# KiCad board PCA20073_Tiny_Board_Panel.kicad_pcb (continued)
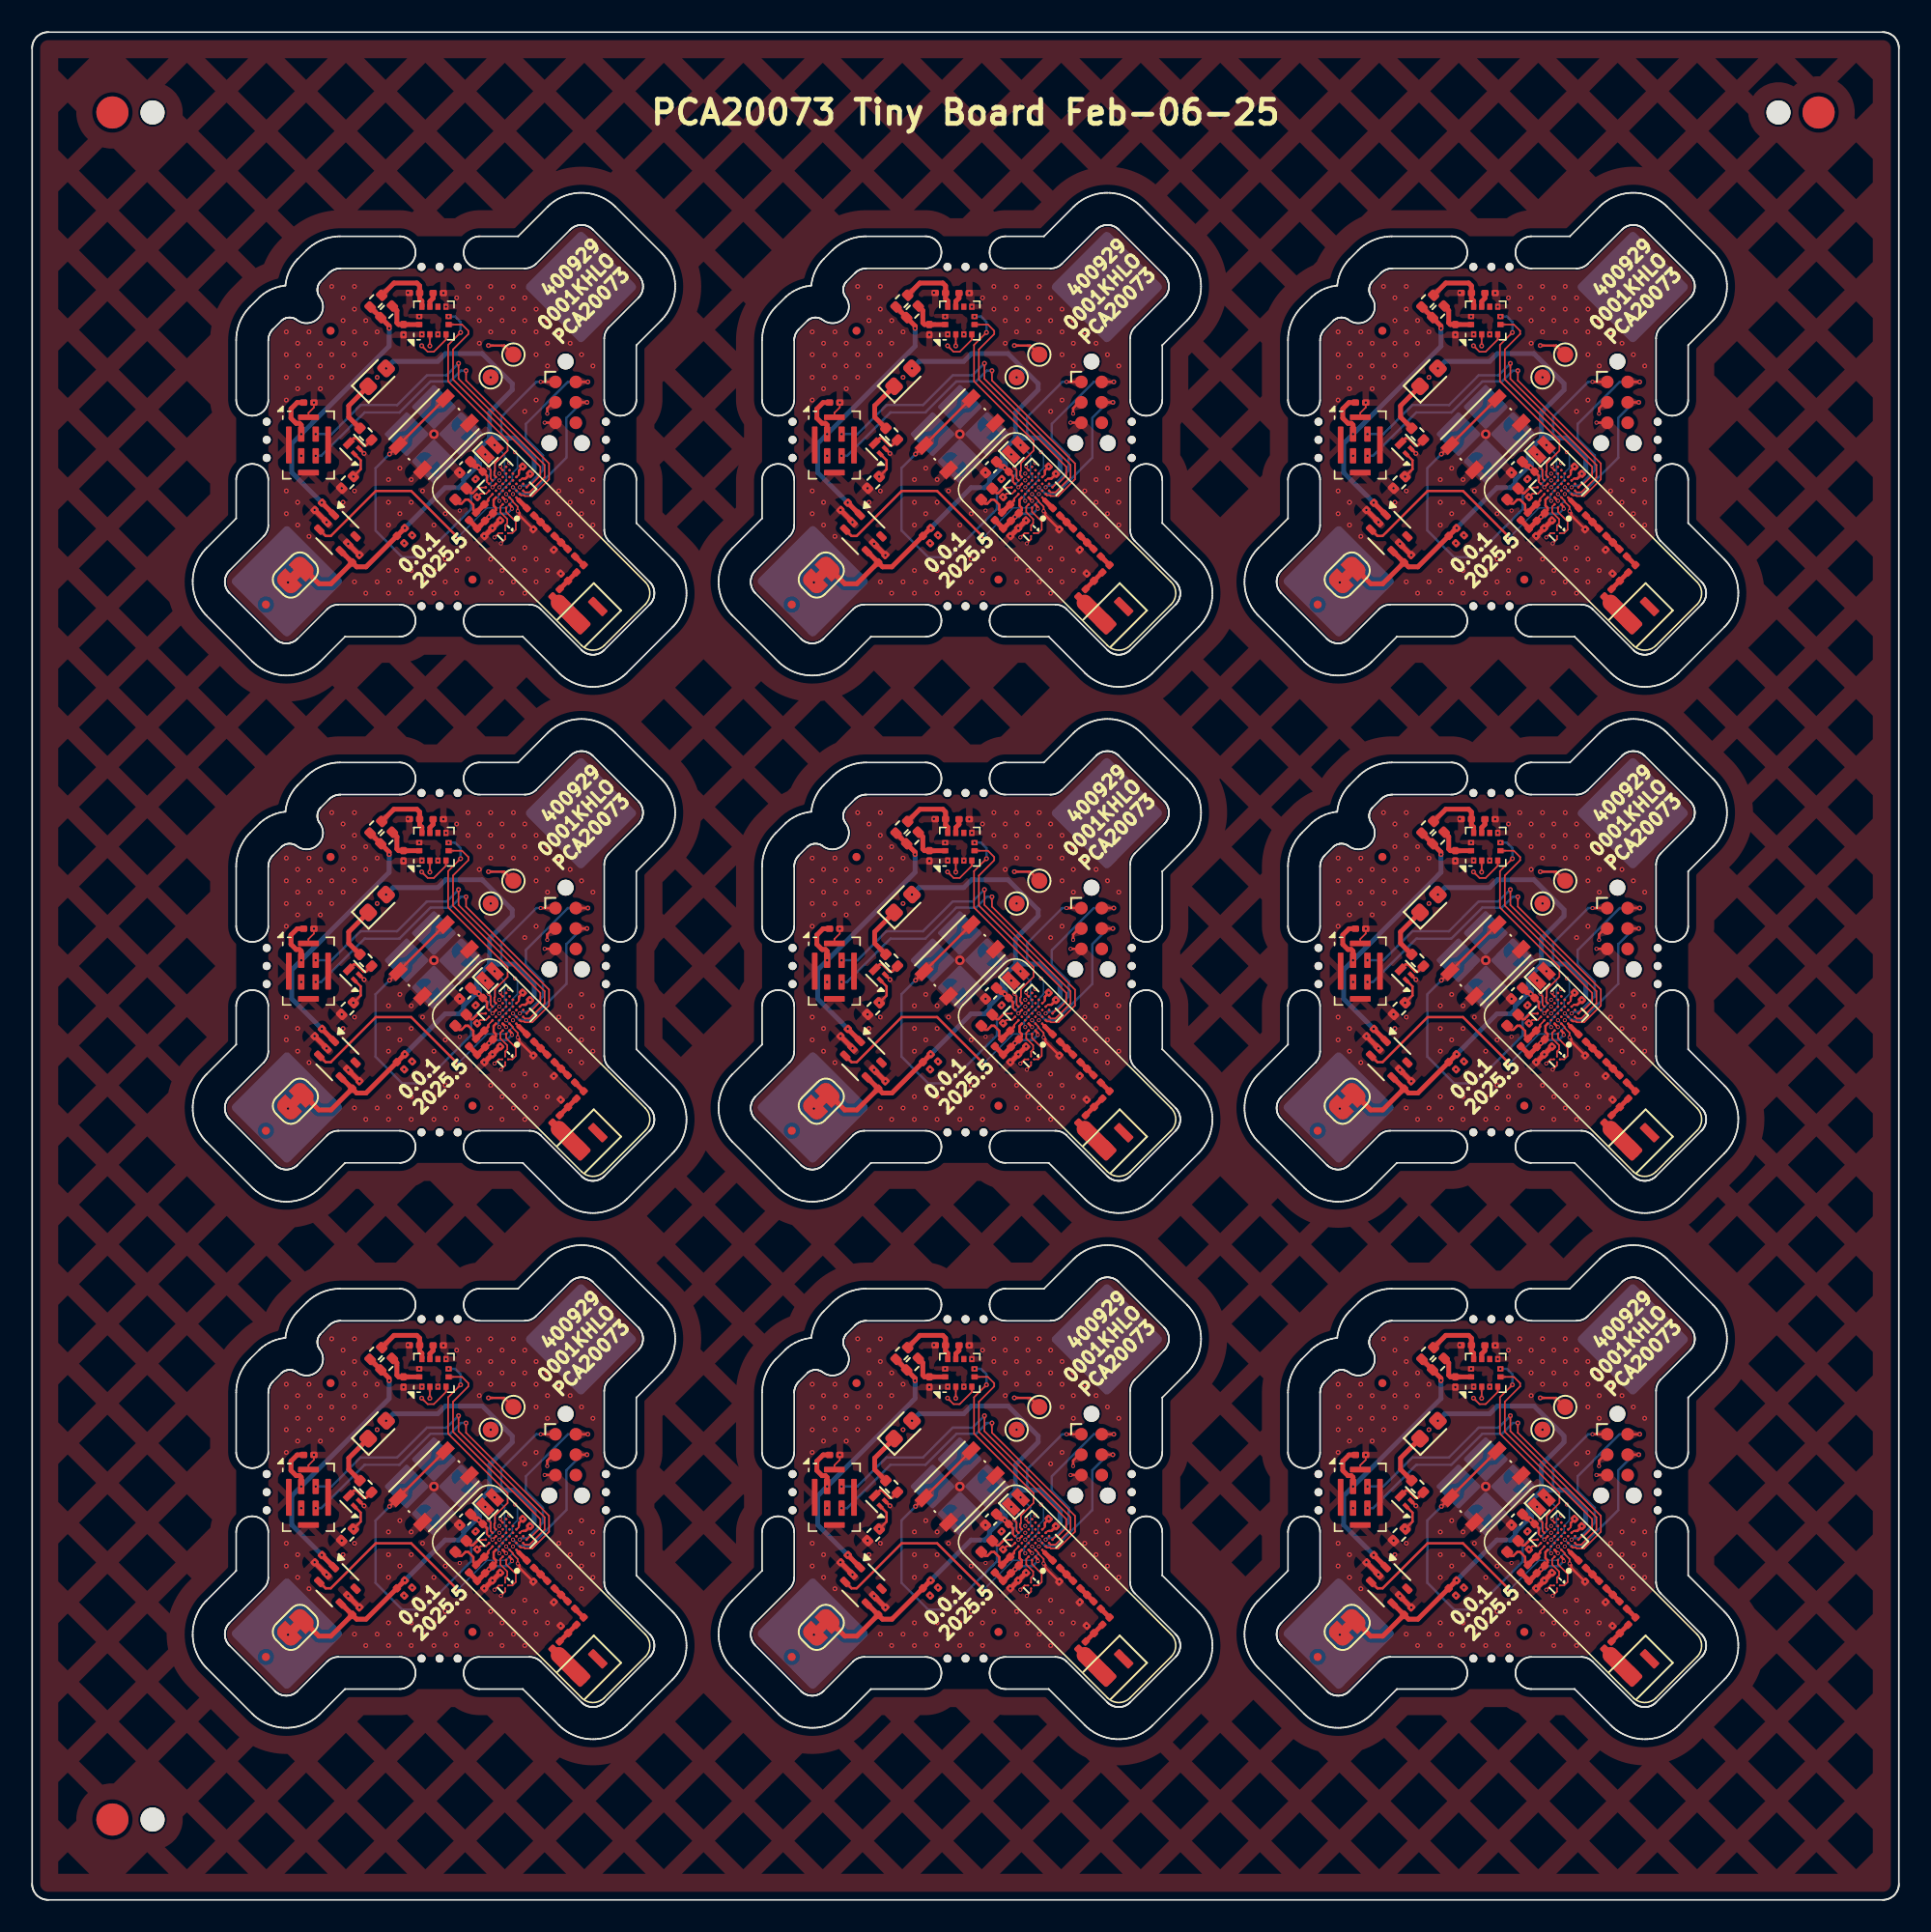
[diagram p0: board, top side]
## Routing (per net, layer and track width the routed paths; a pad name or vN(x,y) marks a point on that pad's centre or on a via; arc(x,y) is an arc through that point) (continued)
  Bottom w0.15: v2(59.43,97.55) 59.43,98.2 59.09,98.55 v2(58.68,98.55)
Board_1-/LED: length 17.8
  Top w0.15: v2(52.75,88.58) 53.21,89.04 53.21,89.6 1Q1.1 ; 1U1.B3 v1(62.27,87.07)
  In2.Cu w0.15: v1(62.27,87.07) 61.87,86.67 61.26,86.67 60.52,85.93 60.52,85.21 59.56,84.25 58.96,84.25 58.48,84.73 57.52,84.73 56.11,83.31 55.27,83.31 53.43,85.15 53.43,87.89 v2(52.75,88.58)
Board_1-/LFCLK1: length 2.8
  Top w0.075: 61.42,87.92 61.42,87.9
  Top w0.1: 1U1.C6 v1(61.42,87.92)
  Bottom w0.1: v1(60.97,89.96) 61.57,89.36 61.57,88.45 61.29,88.17 61.29,88.05 v1(61.42,87.92)
Board_1-/LSW: length 16.3
  Top w0.075: v1(62.27,87.5) 62.27,87.48 62.27,87.48
  Top w0.15: 1U2.3 51.02,84.89 51.35,84.89 54.15,87.69 56.36,87.69 59.13,84.91 v2(59.13,84.68)
  Bottom w0.1: v2(59.13,84.68) 61.09,86.64 62.25,86.64 62.62,87.01 62.62,87.14 v1(62.27,87.5)
Board_1-/PDM_CLK: length 22.8
  Top w0.1: 1U1.E1 63.19,87.42 63.38,87.42 63.43,87.37 63.9,87.37 64.94,88.41 64.94,89.4 59.77,94.57 v2(59.77,95.18)
  Bottom w0.15: v1(50.41,89.88) 50.75,89.88 53.45,92.58 55.63,92.58 57.56,94.51 58.78,94.51 59.45,95.18 v2(59.77,95.18)
Board_1-/PDM_DATA: length 21.8
  Top w0.1: v2(59.3,95.63) 59.3,94.67 64.66,89.31 64.66,88.55 63.72,87.61 63.43,87.61 1U1.F1
  Bottom w0.15: v1(50.41,91.23) 51.39,91.23 53.2,93.04 55.48,93.04 57.33,94.89 58.56,94.89 v2(59.3,95.63)
Board_1-/SCL: length 28.8
  Top w0.075: 62.05,88.96 62.06,88.96 1U1.F7
  Top w0.1: v1(61.9,89.23) 61.9,89.14 1U1.F7 ; v2(57.01,96.73) 57.38,96.35 57.76,96.35 58.52,97.11 1U3.4
  In2.Cu w0.1: 56.28,84.8 56.54,84.8 56.55,84.8 56.93,84.8 57.2,85.07 59.16,85.07 61.54,87.46 61.81,87.46 62.17,87.82 62.17,88.69 62.11,88.75 62.11,89.02 v1(61.9,89.23) ; 56.28,84.8 56.22,84.74 56.22,84.6 56.43,84.39 56.43,84.07 55.97,83.62 55.41,83.62 53.8,85.22 53.8,93.27 57.01,96.47 v2(57.01,96.73) ; 56.28,84.8 v2(56.41,84.93)
  In2.Cu w0.15: v2(56.41,84.93) 56.55,84.8
Board_1-/SDA: length 24.8
  Top w0.1: 1U3.2 57.52,96.72 v2(57.51,96.71) ; 61.84,88.34 61.84,88.33
  In2.Cu w0.1: v2(57.51,96.71) 57.51,96.57 54.1,93.16 54.1,85.26 55.42,83.94 55.95,83.94 56.12,84.12 56.12,84.23 v2(55.92,84.44)
  In2.Cu w0.15: v2(55.92,84.44) 55.78,84.58 55.78,84.75 56.38,85.36 56.38,85.67 58.68,87.97 60.32,87.97 60.7,88.34 61.84,88.34 v1(61.84,88.34)
Board_1-/UART_RX: length 13.6
  Top w0.15: v2(61.16,96.74) 62.15,96.74 1TP2.1
  In2.Cu w0.15: v1(62.83,90.1) 62.98,90.26 62.98,95.91 62.15,96.74 v2(61.16,96.74)
  Bottom w0.1: v1(61.84,87.07) 61.78,87.14 61.78,87.39 61.78,87.33 61.78,87.43 61.95,87.6 61.95,87.67 62.65,88.37 62.65,88.79 62.97,89.12 62.97,89.95 v1(62.83,90.1)
Board_1-/UART_TX: length 7.1
  In2.Cu w0.15: v2(61.31,94.76) 62.65,93.42 62.65,90.39 61.59,89.34 61.59,89 61.83,88.77 v1(61.84,88.77)
Board_1-GND: length 11.3
  Top w0.1: 63.07,88.79 63.07,88.7 62.9,88.54 ; 1Y2.2 62.21,84.69 v1(61.94,84.42) ; 1U1.C2 62.68,87.08 62.68,87.02 62.99,86.71 v1(62.99,86.43) ; 1Y2.3 61.8,85.06 v1(61.54,84.8) ; v1(50.3,93.19) 50.3,92.89 49.96,92.55 1MK1.5 ; v1(60.46,87.31) 60.67,87.51 61.01,87.51 1U1.A6
  Top w0.15: 52.04,87.83 52.03,87.85 v2(52.03,87.86) ; v2(53.42,90.02) 1Q1.2 ; 1J1.5 65.33,91.94 v1(64.66,91.94) ; v2(63.96,85.3) 63.09,86.17 63.09,86.33 v1(62.99,86.43) ; 63.34,89.25 63.34,89.23 63.07,88.96 63.07,88.79
  Top w0.3: v1(60.9,84.88) 60.92,84.88 v1(61.41,85.37) ; 1C12.2 v1(61.41,85.37) ; v1(61.41,85.37) v1(61.9,85.86) ; v2(51.09,85.75) 51.09,85.76 v2(50.34,86.51) ; v2(52.43,84.4) v2(53.14,83.69)
  vias: v1(49.51,89.88) v1(59.37,86.47) v1(60.37,88.43) v1(62.46,89.43) v1(63.3,89.21) v2(48.58,97.59) v2(48.58,96.18) v2(48.58,94.76) v2(48.58,93.35) v2(48.58,87.69) v2(48.58,86.28) v2(49.28,96.88) v2(49.28,95.47) v2(49.28,94.05) v2(49.28,86.98) v2(49.28,85.57) v2(49.99,97.59) v2(49.99,96.18) v2(49.99,94.76) v2(49.99,84.86) v2(50.7,96.88) v2(50.7,95.47) v2(50.7,94.05) v2(51.41,100.42) v2(51.41,96.18) v2(51.41,94.76) v2(52.11,99.71) v2(52.11,98.3) v2(52.11,96.88) v2(52.11,95.47) v2(52.11,86.98) v2(52.82,100.42) v2(52.82,99) v2(52.82,97.59) v2(52.82,96.18) v2(52.82,87.69) v2(52.82,82.03) v2(53.53,98.3) v2(53.53,96.88) v2(53.53,81.33) v2(54.23,97.59) v2(54.23,94.76) v2(54.23,82.03) v2(54.94,88.4) v2(54.94,86.98) v2(54.94,85.57) v2(54.94,82.74) v2(54.94,81.33) v2(55.65,89.1) v2(55.65,86.28) v2(55.65,82.03) v2(55.87,97.41) v2(56.16,100.03) v2(56.36,88.4) v2(56.36,86.98) v2(56.36,82.74) v2(56.36,81.33) v2(56.86,98.55) v2(57.02,97.44) v2(57.06,87.69) v2(57.06,82.03) v2(57.77,85.57) v2(57.77,82.74) v2(57.77,81.33) v2(58.02,97.44) v2(58.36,100.01) v2(58.52,99.16) v2(58.48,86.28) v2(58.48,83.45) v2(58.48,82.03) v2(59.18,99.71) v2(59.18,82.74) v2(59.18,81.33) v2(59.37,88.83) v2(59.89,100.42) v2(59.89,99) v2(59.89,83.45) v2(60.6,99.71) v2(60.6,98.3) v2(60.6,96.88) v2(61.31,100.42) v2(61.31,99) v2(61.31,97.59) v2(61.31,83.45) v2(61.31,82.03) v2(62.01,99.71) v2(62.01,98.3) v2(62.01,82.74) v2(62.01,81.33) v2(62.72,100.42) v2(62.72,99) v2(62.72,97.59) v2(62.72,83.45) v2(62.72,82.03) v2(63.43,99.71) v2(63.43,98.3) v2(63.43,92.64) v2(63.43,84.15) v2(63.43,82.74) v2(63.43,81.33) v2(64.13,99) v2(64.13,97.59) v2(64.13,96.18) v2(64.13,93.35) v2(64.13,83.45) v2(64.13,82.03) v2(64.84,98.3) v2(64.84,96.88) v2(64.84,95.47) v2(64.84,86.98) v2(64.84,82.74) v2(65.24,84.03) v2(65.55,97.59) v2(65.55,87.69) v2(65.55,86.28) v2(65.67,82.55) v2(66.25,96.88) v2(66.25,88.4) v2(66.25,86.98) v2(66.25,85.57) v2(66.96,96.18) v2(66.96,89.1) v2(66.96,87.69) v2(66.96,86.28) v2(66.96,84.86) v2(67.67,95.47) v2(67.67,88.4) v2(67.67,86.98) v2(67.67,85.57) v3(57.77,91.23)
Board_1-Net-(AE1-PCB_Trace): length 1.9
  Top w1: 1AE1.2 65.55,80.73
Board_1-Net-(BT1-+):
  vias: v2(48.68,82)
Board_1-Net-(C6-Pad1): length 1.2
  Top w0.293: 64,86.17 64.82,85.35
Board_1-Net-(C9-Pad1): length 1.2
  Top w0.293: 65.28,84.89 66.1,84.07
Board_1-Net-(D1-K): length 3.4
  Top w0.3: 1D1.1 52.47,92.99 52.47,92.29 1R1.1
Board_1-Net-(J1-SWCLK): length 9.3
  Top w0.15: 1J1.4 v2(67.3,93.21)
  Bottom w0.15: v1(62.69,87.92) 62.69,87.92 63.08,87.53 63.79,87.53 66.02,89.76 66.02,92.24 66.99,93.21 v2(67.3,93.21)
Board_1-Net-(J1-SWDIO): length 10.9
  Top w0.15: 1J1.2 66.61,94.48 v2(67.36,94.48)
  Bottom w0.15: v2(67.36,94.48) 66.11,94.48 63.5,91.86 63.5,90.96 64.56,89.9 64.56,88.98 63.6,88.02 63.23,88.02 63.13,87.92 v1(63.12,87.92)
Board_1-Net-(J1-~{RESET}): length 8.1
  Top w0.15: 62.69,87.48 v1(62.69,87.5) ; 1J1.3 65.19,93.21 64.83,92.84 v1(64.83,92.5)
  In2.Cu w0.15: v1(62.69,87.5) 62.77,87.58 63.33,87.58 64.52,88.77 64.52,89.29 63.72,90.1 63.72,90.84 64.2,91.32 64.2,92.24 64.46,92.5 v1(64.83,92.5)
Board_1-Net-(JP2-A): length 2.6
  Top w0.3: 1JP2.1 55.46,98.92 55.46,98.16 55.57,98.05 1C16.1 55.88,98.05 1U3.12 56.85,98.05
Board_1-Net-(JP3-A): length 4.1
  Top w0.3: 1JP3.1 55.28,100.63 56.71,100.63 56.88,100.46 1C17.1 56.88,99.65 57.02,99.51 1U3.10
Board_1-Net-(L4-Pad2): length 0.8
  Top w0.293: 66.55,83.62 67.09,83.08
Board_1-Net-(L18-Pad1): length 1.5
  Top w0.293: 66.64,82.62 65.6,81.58
Board_1-Net-(Q1-D): length 1.9
  Top w0.15: 1Q1.3 52.78,90.98 52.93,90.98 53.39,90.52 53.54,90.52 1R1.2
Board_1-Net-(U1-ANT): length 0.9
  Top w0.1: 63.05,87.12 62.91,87.26 62.91,87.27
  Top w0.293: 1L2.1 63.05,87.12 63.05,87.12
Board_1-Net-(U1-DCC): length 1.5
  Top w0.1: 60.51,87.88 60.53,87.9 60.99,87.9
  Top w0.15: 60.51,87.88 60.19,87.56 60.07,87.56 1L1.2
Board_1-Net-(U1-DECA): length 5.3
  Top w0.15: 62.48,86.84 62.63,86.69 v1(62.63,86.58) ; 1C5.1 61.62,86.49 61.62,86.64 61.49,86.77 61.49,87.14 1U1.A4
  Top w0.3: 1C5.1 v1(61.2,86.07) 60.47,85.33 1C2.1 60.45,85.37 1FB1.1
  Bottom w0.15: v1(62.63,86.58) 62.32,86.27 61.65,86.27 61.45,86.07 v1(61.2,86.07)
Board_1-Net-(U1-DECD): length 3.6
  Top w0.1: 61.15,87.15 61.15,87.21 61.42,87.48
  Top w0.15: 61.15,87.15 61.15,87.09 1C1.1 ; 1L1.1 59.35,86.9 59.49,86.9 59.74,87.15 59.9,87.15 60.22,86.83 60.22,86.51 1FB1.2
  Top w0.3: 1FB1.2 1C1.1
Board_1-Net-(U1-P1.00): length 3.1
  Top w0.1: v1(61.84,87.92) 61.85,87.91 61.84,87.9
  Bottom w0.1: v1(61.55,90.55) 62.17,89.92 62.17,88.76 62.28,88.65 62.28,88.36 v1(61.84,87.92)
Board_1-Net-(U1-XC1): length 2.2
  Top w0.1: 1Y2.1 62.39,85.07 62.66,85.07 62.87,85.28 62.87,85.79 62.27,86.39 1U1.A1
Board_1-Net-(U1-XC2): length 1.9
  Top w0.1: 1Y2.4 62.21,85.55 62.34,85.68 62.34,85.94 61.91,86.37 61.91,86.71 1U1.A2
Board_1-Net-(U3-V_{REG_OUT}): length 0.9
  Top w0.3: 1U3.9 57.52,99.49 57.72,99.69 1C15.1
Board_1-unconnected-(U1-P1.03-PadD5): length 0
  Top w0.1: 62.06,88.12 62.06,88.12 62.06,88.13
Board_1-VDD: length 45.3
  Top w0.1: 63.32,88.46 63.25,88.46 63.12,88.33 ; 61.21,88.11 61.07,88.25 61.07,88.32
  Top w0.15: 1J1.1 65.33,94.48 v1(64.42,94.48) ; 61.07,88.32 61.07,88.63 1C11.1 ; 63.32,88.46 63.48,88.46 63.8,88.78 63.8,88.8
  Top w0.3: 1C10.1 60.34,89.22 60.48,89.22 v2(60.57,89.13) 1C11.1 ; 1C3.1 51.99,83.94 1U2.4 ; 1C3.1 52.96,82.97 53.54,82.97 v2(55.96,85.38) ; 1C3.1 51.36,81.91 50.61,81.91 1JP1.2
  Bottom w0.15: 61.97,91.23 61.97,92.3 64.15,94.48 v1(64.42,94.48) ; 61.97,91.23 61.97,91.19 61.77,90.99 ; 61.97,91.23 61.97,90.99 ; 61.97,91.23 62.21,90.99 62.22,90.99
  Bottom w0.3: 60.61,89.39 60.61,89.28 60.46,89.13 60.36,89.13 ; 60.61,89.39 60.61,89.17 v2(60.57,89.13) 60.36,89.13 ; 60.61,89.39 60.42,89.58 60.42,90.16 61.23,90.97 ; 61.23,90.97 61.23,91.37 ; 61.23,90.97 61.26,90.99 61.49,90.99 ; 63.81,88.79 64.01,88.99 64.01,89.78 62.8,90.99 61.49,90.99 ; 60.36,89.13 59.62,88.39 59.62,88.18 59.33,87.89 58.47,87.89 v2(55.96,85.38) ; 61.49,90.99 61.49,91.03 61.23,91.29 61.23,91.37 ; 61.23,91.37 61.23,92.57 62.65,93.98 62.65,94.36 60.77,96.24 58.5,96.24 58.01,95.75 55.22,95.75 v2(54.79,95.32)
  vias: v2(63.76,88.76)
Board_2-/BUTTON0: length 21.9
  Top w0.1: 2U1.C7 94.05,88.46 94.05,88.99 93.92,89.12 v1(93.92,89.15)
  Top w0.15: v2(87.76,89.98) 2SW1.1 2SW1.1
  Bottom w0.15: v1(93.92,89.15) 94.03,89.04 94.03,88.71 92.83,87.51 92.83,86.57 92.6,86.33 89.83,83.56 88.55,83.56 86.88,85.23 86.88,89.11 v2(87.76,89.98)
Board_2-/INT1: length 14.2
  Top w0.1: 2U1.G1 96.48,88.11 96.6,88.11 97.14,88.66 97.14,89.2 91.71,94.63 91.71,96.5 92.66,97.46 92.66,97.65 92.27,98.05 2U3.5
Board_2-/INT2: length 12.8
  Top w0.1: v2(92.18,97.55) 91.4,96.78 91.4,94.51 95.11,90.81 95.11,90.2 94.32,89.42 94.32,88.95 94.27,88.9 94.27,88.66 2U1.D7
  Bottom w0.15: v2(91.43,98.55) 91.84,98.55 92.18,98.2 v2(92.18,97.55)
Board_2-/LED: length 17.8
  Top w0.15: 2Q1.1 85.96,89.6 85.96,89.04 v2(85.5,88.58) ; 2U1.B3 v1(95.01,87.07)
  In2.Cu w0.15: v2(85.5,88.58) 86.18,87.89 86.18,85.15 88.02,83.31 88.86,83.31 90.27,84.73 91.23,84.73 91.71,84.25 92.31,84.25 93.27,85.21 93.27,85.93 94.01,86.67 94.61,86.67 v1(95.01,87.07)
Board_2-/LFCLK1: length 2.8
  Top w0.075: 94.17,87.92 94.17,87.9
  Top w0.1: 2U1.C6 v1(94.17,87.92)
  Bottom w0.1: v1(94.17,87.92) 94.04,88.05 94.04,88.17 94.32,88.45 94.32,89.36 v1(93.72,89.96)
Board_2-/LSW: length 16.3
  Top w0.075: 95.02,87.48 95.02,87.48 v1(95.02,87.5)
  Top w0.15: v2(91.88,84.68) 91.88,84.91 89.1,87.69 86.9,87.69 84.1,84.89 83.77,84.89 2U2.3
  Bottom w0.1: v1(95.02,87.5) 95.37,87.14 95.37,87.01 94.99,86.64 93.83,86.64 v2(91.88,84.68)
Board_2-/PDM_CLK: length 22.8
  Top w0.1: 2U1.E1 95.94,87.42 96.13,87.42 96.18,87.37 96.65,87.37 97.69,88.41 97.69,89.4 92.52,94.57 v2(92.52,95.18)
  Bottom w0.15: v2(92.52,95.18) 92.2,95.18 91.53,94.51 90.31,94.51 88.38,92.58 86.2,92.58 83.5,89.88 v1(83.16,89.88)
Board_2-/PDM_DATA: length 21.8
  Top w0.1: 2U1.F1 96.18,87.61 96.47,87.61 97.41,88.55 97.41,89.31 92.05,94.67 v2(92.05,95.63)
  Bottom w0.15: v2(92.05,95.63) 91.31,94.89 90.08,94.89 88.23,93.04 85.95,93.04 84.14,91.23 v1(83.16,91.23)
Board_2-/SCL: length 28.8
  Top w0.075: 94.8,88.96 94.8,88.96 2U1.F7
  Top w0.1: 2U1.F7 94.65,89.14 v1(94.65,89.23) ; 2U3.4 91.27,97.11 90.51,96.35 90.13,96.35 v2(89.75,96.73)
  In2.Cu w0.1: v1(94.65,89.23) 94.86,89.02 94.86,88.75 94.92,88.69 94.92,87.82 94.56,87.46 94.29,87.46 91.9,85.07 89.95,85.07 89.68,84.8 89.29,84.8 89.29,84.8 89.03,84.8 ; 89.03,84.8 88.97,84.74 88.97,84.6 89.17,84.39 89.17,84.07 88.72,83.62 88.16,83.62 86.55,85.22 86.55,93.27 89.75,96.47 v2(89.75,96.73) ; 89.03,84.8 v2(89.16,84.93)
  In2.Cu w0.15: v2(89.16,84.93) 89.29,84.8
Board_2-/SDA: length 24.8
  Top w0.1: 94.59,88.34 94.59,88.33 ; v2(90.26,96.71) 90.27,96.72 2U3.2
  In2.Cu w0.1: v2(88.67,84.44) 88.87,84.23 88.87,84.12 88.69,83.94 88.17,83.94 86.85,85.26 86.85,93.16 90.26,96.57 v2(90.26,96.71)
  In2.Cu w0.15: v1(94.59,88.34) 94.59,88.34 93.45,88.34 93.07,87.97 91.43,87.97 89.13,85.67 89.13,85.36 88.52,84.75 88.52,84.58 v2(88.67,84.44)
Board_2-/UART_RX: length 13.6
  Top w0.15: 2TP2.1 94.9,96.74 v2(93.91,96.74)
  In2.Cu w0.15: v1(95.57,90.1) 95.73,90.26 95.73,95.91 94.9,96.74 v2(93.91,96.74)
  Bottom w0.1: v1(95.57,90.1) 95.72,89.95 95.72,89.12 95.4,88.79 95.4,88.37 94.7,87.67 94.7,87.6 94.53,87.43 94.53,87.33 94.53,87.39 94.53,87.14 v1(94.59,87.07)
Board_2-/UART_TX: length 7.1
  In2.Cu w0.15: v1(94.59,88.77) 94.57,88.77 94.34,89 94.34,89.34 95.4,90.39 95.4,93.42 v2(94.05,94.76)
Board_2-GND: length 11.3
  Top w0.1: 95.65,88.54 95.81,88.7 95.81,88.79 ; 2Y2.3 94.55,85.06 v1(94.29,84.8) ; v1(95.74,86.43) 95.74,86.71 95.43,87.02 95.43,87.08 2U1.C2 ; v1(94.69,84.42) 94.95,84.69 2Y2.2 ; 2U1.A6 93.76,87.51 93.42,87.51 v1(93.21,87.31) ; 2MK1.5 82.71,92.55 83.05,92.89 v1(83.05,93.19)
  Top w0.15: v2(86.17,90.02) 2Q1.2 ; 2J1.5 98.08,91.94 v1(97.41,91.94) ; 84.79,87.83 84.78,87.85 v2(84.78,87.86) ; v1(95.74,86.43) 95.84,86.33 95.84,86.17 v2(96.71,85.3) ; 95.81,88.79 95.81,88.96 96.09,89.23 96.09,89.25
  Top w0.3: v1(93.65,84.88) 93.67,84.88 v1(94.16,85.37) ; v2(83.84,85.75) 83.84,85.76 v2(83.09,86.51) ; v1(94.65,85.86) v1(94.16,85.37) ; v1(94.16,85.37) 2C12.2 ; v2(85.18,84.4) v2(85.89,83.69)
  vias: v1(82.26,89.88) v1(92.12,86.47) v1(93.12,88.43) v1(95.21,89.43) v1(96.05,89.21) v2(81.33,97.59) v2(81.33,96.18) v2(81.33,94.76) v2(81.33,93.35) v2(81.33,87.69) v2(81.33,86.28) v2(82.03,96.88) v2(82.03,95.47) v2(82.03,94.05) v2(82.03,86.98) v2(82.03,85.57) v2(82.74,97.59) v2(82.74,96.18) v2(82.74,94.76) v2(82.74,84.86) v2(83.45,96.88) v2(83.45,95.47) v2(83.45,94.05) v2(84.15,100.42) v2(84.15,96.18) v2(84.15,94.76) v2(84.86,99.71) v2(84.86,98.3) v2(84.86,96.88) v2(84.86,95.47) v2(84.86,86.98) v2(85.57,100.42) v2(85.57,99) v2(85.57,97.59) v2(85.57,96.18) v2(85.57,87.69) v2(85.57,82.03) v2(86.28,98.3) v2(86.28,96.88) v2(86.28,81.33) v2(86.98,97.59) v2(86.98,94.76) v2(86.98,82.03) v2(87.69,88.4) v2(87.69,86.98) v2(87.69,85.57) v2(87.69,82.74) v2(87.69,81.33) v2(88.4,89.1) v2(88.4,86.28) v2(88.4,82.03) v2(88.62,97.41) v2(88.9,100.03) v2(89.1,88.4) v2(89.1,86.98) v2(89.1,82.74) v2(89.1,81.33) v2(89.6,98.55) v2(89.77,97.44) v2(89.81,87.69) v2(89.81,82.03) v2(90.52,85.57) v2(90.52,82.74) v2(90.52,81.33) v2(90.77,97.44) v2(91.11,100.01) v2(91.27,99.16) v2(91.23,86.28) v2(91.23,83.45) v2(91.23,82.03) v2(91.93,99.71) v2(91.93,82.74) v2(91.93,81.33) v2(92.12,88.83) v2(92.64,100.42) v2(92.64,99) v2(92.64,83.45) v2(93.35,99.71) v2(93.35,98.3) v2(93.35,96.88) v2(94.05,100.42) v2(94.05,99) v2(94.05,97.59) v2(94.05,83.45) v2(94.05,82.03) v2(94.76,99.71) v2(94.76,98.3) v2(94.76,82.74) v2(94.76,81.33) v2(95.47,100.42) v2(95.47,99) v2(95.47,97.59) v2(95.47,83.45) v2(95.47,82.03) v2(96.18,99.71) v2(96.18,98.3) v2(96.18,92.64) v2(96.18,84.15) v2(96.18,82.74) v2(96.18,81.33) v2(96.88,99) v2(96.88,97.59) v2(96.88,96.18) v2(96.88,93.35) v2(96.88,83.45) v2(96.88,82.03) v2(97.59,98.3) v2(97.59,96.88) v2(97.59,95.47) v2(97.59,86.98) v2(97.59,82.74) v2(97.99,84.03) v2(98.3,97.59) v2(98.3,87.69) v2(98.3,86.28) v2(98.42,82.55) v2(99,96.88) v2(99,88.4) v2(99,86.98) v2(99,85.57) v2(99.71,96.18) v2(99.71,89.1) v2(99.71,87.69) v2(99.71,86.28) v2(99.71,84.86) v2(100.42,95.47) v2(100.42,88.4) v2(100.42,86.98) v2(100.42,85.57) v3(90.52,91.23)
Board_2-Net-(AE1-PCB_Trace): length 1.9
  Top w1: 2AE1.2 98.3,80.73
Board_2-Net-(BT1-+):
  vias: v2(81.43,82)
Board_2-Net-(C6-Pad1): length 1.2
  Top w0.293: 96.75,86.17 97.57,85.35
Board_2-Net-(C9-Pad1): length 1.2
  Top w0.293: 98.02,84.89 98.84,84.07
Board_2-Net-(D1-K): length 3.4
  Top w0.3: 2D1.1 85.21,92.99 85.21,92.29 2R1.1
Board_2-Net-(J1-SWCLK): length 9.3
  Top w0.15: 2J1.4 v2(100.05,93.21)
  Bottom w0.15: v2(100.05,93.21) 99.74,93.21 98.77,92.24 98.77,89.76 96.54,87.53 95.83,87.53 95.44,87.92 v1(95.44,87.92)
Board_2-Net-(J1-SWDIO): length 10.9
  Top w0.15: v2(100.11,94.48) 99.36,94.48 2J1.2
  Bottom w0.15: v1(95.86,87.92) 95.88,87.92 95.98,88.02 96.34,88.02 97.31,88.98 97.31,89.9 96.25,90.96 96.25,91.86 98.86,94.48 v2(100.11,94.48)
Board_2-Net-(J1-~{RESET}): length 8.1
  Top w0.15: 2J1.3 97.94,93.21 97.58,92.84 v1(97.58,92.5) ; 95.44,87.48 95.44,87.48 v1(95.44,87.5)
  In2.Cu w0.15: v1(95.44,87.5) 95.52,87.58 96.08,87.58 97.27,88.77 97.27,89.29 96.47,90.1 96.47,90.84 96.95,91.32 96.95,92.24 97.21,92.5 v1(97.58,92.5)
Board_2-Net-(JP2-A): length 2.6
  Top w0.3: 89.6,98.05 2U3.12 88.63,98.05 2C16.1 88.32,98.05 88.21,98.16 88.21,98.92 2JP2.1
Board_2-Net-(JP3-A): length 4.1
  Top w0.3: 2U3.10 89.77,99.51 89.63,99.65 2C17.1 89.63,100.46 89.46,100.63 88.03,100.63 2JP3.1
Board_2-Net-(L4-Pad2): length 0.8
  Top w0.293: 99.3,83.62 99.84,83.08
Board_2-Net-(L18-Pad1): length 1.5
  Top w0.293: 99.39,82.62 98.35,81.58
Board_2-Net-(Q1-D): length 1.9
  Top w0.15: 2Q1.3 85.53,90.98 85.67,90.98 86.13,90.52 86.29,90.52 2R1.2
Board_2-Net-(U1-ANT): length 0.9
  Top w0.1: 95.66,87.27 95.65,87.26 95.8,87.12
  Top w0.293: 2L2.1 95.8,87.12 95.8,87.12
Board_2-Net-(U1-DCC): length 1.5
  Top w0.1: 93.25,87.88 93.28,87.9 93.74,87.9
  Top w0.15: 93.25,87.88 92.94,87.56 92.82,87.56 2L1.2
Board_2-Net-(U1-DECA): length 5.3
  Top w0.15: 95.23,86.84 95.38,86.69 v1(95.38,86.58) ; 2U1.A4 94.24,87.14 94.24,86.77 94.37,86.64 94.37,86.49 2C5.1
  Top w0.3: 2FB1.1 93.2,85.37 2C2.1 93.22,85.33 v1(93.95,86.07) 2C5.1
  Bottom w0.15: v1(95.38,86.58) 95.06,86.27 94.4,86.27 94.2,86.07 v1(93.95,86.07)
Board_2-Net-(U1-DECD): length 3.6
  Top w0.1: 94.17,87.48 93.9,87.21 93.9,87.15
  Top w0.15: 2FB1.2 92.97,86.51 92.97,86.83 92.65,87.15 92.48,87.15 92.24,86.9 92.1,86.9 2L1.1 ; 2C1.1 93.9,87.09 93.9,87.15
  Top w0.3: 2FB1.2 2C1.1
Board_2-Net-(U1-P1.00): length 3.1
  Top w0.1: v1(94.59,87.92) 94.6,87.91 94.59,87.9
  Bottom w0.1: v1(94.59,87.92) 95.03,88.36 95.03,88.65 94.92,88.76 94.92,89.92 v1(94.3,90.55)
Board_2-Net-(U1-XC1): length 2.2
  Top w0.1: 2U1.A1 95.02,86.39 95.62,85.79 95.62,85.28 95.4,85.07 95.13,85.07 2Y2.1
Board_2-Net-(U1-XC2): length 1.9
  Top w0.1: 2Y2.4 94.95,85.55 95.09,85.68 95.09,85.94 94.65,86.37 94.65,86.71 2U1.A2
Board_2-Net-(U3-V_{REG_OUT}): length 0.9
  Top w0.3: 2U3.9 90.27,99.49 90.47,99.69 2C15.1
Board_2-unconnected-(U1-P1.03-PadD5): length 0
  Top w0.1: 2U1.D5 94.81,88.12 94.8,88.12
Board_2-VDD: length 45.3
  Top w0.1: 95.86,88.33 96,88.46 96.07,88.46 ; 93.82,88.32 93.82,88.25 93.95,88.11
  Top w0.15: v1(97.17,94.48) 98.08,94.48 2J1.1 ; 96.54,88.8 96.54,88.78 96.22,88.46 96.07,88.46 ; 93.82,88.32 93.82,88.63 2C11.1
  Top w0.3: 2JP1.2 83.36,81.91 84.1,81.91 2C3.1 ; 2C3.1 85.71,82.97 86.29,82.97 v2(88.71,85.38) ; 2C3.1 84.73,83.94 2U2.4 ; 2C11.1 v2(93.32,89.13) 93.23,89.22 93.09,89.22 2C10.1
  Bottom w0.15: 94.72,91.23 94.96,90.99 94.97,90.99 ; 94.72,91.23 94.72,90.99 ; 94.72,91.23 94.72,92.3 96.9,94.48 v1(97.17,94.48) ; 94.72,91.23 94.72,91.19 94.52,90.99
  Bottom w0.3: 93.98,91.37 93.98,92.57 95.4,93.98 95.4,94.36 93.52,96.24 91.25,96.24 90.76,95.75 87.97,95.75 v2(87.54,95.32) ; 93.98,91.37 93.98,91.29 94.24,91.03 94.24,90.99 ; 93.98,91.37 93.98,90.97 ; 93.35,89.39 93.17,89.58 93.17,90.16 93.98,90.97 ; 93.35,89.39 93.35,89.17 v2(93.32,89.13) 93.11,89.13 ; 93.35,89.39 93.35,89.28 93.21,89.13 93.11,89.13 ; 93.11,89.13 92.36,88.39 92.36,88.18 92.08,87.89 91.22,87.89 v2(88.71,85.38) ; 93.98,90.97 94,90.99 94.24,90.99 ; 96.56,88.79 96.75,88.99 96.75,89.78 95.55,90.99 94.24,90.99
  vias: v2(96.5,88.76)
Board_3-/BUTTON0: length 21.9
  Top w0.1: 3U1.C7 28.56,55.71 28.56,56.24 28.42,56.37 v1(28.42,56.4)
  Top w0.15: v2(22.26,57.24) 3SW1.1 3SW1.1
  Bottom w0.15: v1(28.42,56.4) 28.53,56.3 28.53,55.96 27.33,54.76 27.33,53.82 27.1,53.58 24.33,50.81 23.06,50.81 21.39,52.48 21.39,56.36 v2(22.26,57.24)
Board_3-/INT1: length 14.2
  Top w0.1: 3U3.5 26.77,65.3 27.16,64.9 27.16,64.71 26.21,63.75 26.21,61.88 31.65,56.45 31.65,55.91 31.1,55.37 30.99,55.37 3U1.G1
Board_3-/INT2: length 12.8
  Top w0.1: 3U1.D7 28.78,55.91 28.78,56.15 28.83,56.2 28.83,56.67 29.61,57.45 29.61,58.06 25.9,61.76 25.9,64.03 v2(26.68,64.81)
  Bottom w0.15: v2(25.94,65.8) 26.34,65.8 26.68,65.46 v2(26.68,64.81)
Board_3-/LED: length 17.8
  Top w0.15: v1(29.52,54.32) 29.52,54.32 3U1.B3 ; v2(20,55.83) 20.46,56.29 20.46,56.85 3Q1.1
  In2.Cu w0.15: v2(20,55.83) 20.69,55.15 20.69,52.4 22.52,50.56 23.36,50.56 24.77,51.98 25.73,51.98 26.22,51.5 26.81,51.5 27.77,52.46 27.77,53.18 28.51,53.92 29.12,53.92 v1(29.52,54.32)
Board_3-/LFCLK1: length 2.8
  Top w0.075: 28.67,55.17 28.67,55.15
  Top w0.1: 3U1.C6 v1(28.67,55.17)
  Bottom w0.1: v1(28.22,57.21) 28.82,56.62 28.82,55.7 28.54,55.42 28.54,55.3 v1(28.67,55.17)
Board_3-/LSW: length 16.3
  Top w0.075: 29.52,54.73 29.52,54.73 v1(29.52,54.75)
  Top w0.15: 3U2.3 18.28,52.14 18.6,52.14 21.4,54.94 23.61,54.94 26.39,52.16 v2(26.39,51.94)
  Bottom w0.1: v1(29.52,54.75) 29.87,54.39 29.87,54.26 29.5,53.89 28.34,53.89 v2(26.39,51.94)
Board_3-/PDM_CLK: length 22.8
  Top w0.1: v2(27.02,62.43) 27.02,61.82 32.19,56.65 32.19,55.66 31.15,54.62 30.68,54.62 30.64,54.67 30.44,54.67 3U1.E1
  Bottom w0.15: v1(17.66,57.13) 18,57.13 20.7,59.83 22.88,59.83 24.81,61.76 26.03,61.76 26.7,62.43 v2(27.02,62.43)
Board_3-/PDM_DATA: length 21.8
  Top w0.1: 3U1.F1 30.68,54.86 30.97,54.86 31.92,55.8 31.92,56.56 26.56,61.92 v2(26.56,62.88)
  Bottom w0.15: v2(26.56,62.88) 25.81,62.14 24.58,62.14 22.73,60.29 20.45,60.29 18.64,58.48 v1(17.66,58.48)
Board_3-/SCL: length 28.8
  Top w0.075: 29.31,56.21 29.31,56.21 3U1.F7
  Top w0.1: v2(24.26,63.98) 24.63,63.6 25.01,63.6 25.77,64.36 3U3.4 ; v1(29.15,56.48) 29.15,56.39 3U1.F7
  In2.Cu w0.1: 23.54,52.06 23.47,51.99 23.47,51.85 23.68,51.65 23.68,51.32 23.22,50.87 22.66,50.87 21.05,52.47 21.05,60.52 24.26,63.72 v2(24.26,63.98) ; 23.54,52.06 v2(23.66,52.18) ; 23.54,52.06 23.79,52.06 23.8,52.05 24.18,52.05 24.46,52.32 26.41,52.32 28.79,54.71 29.06,54.71 29.43,55.08 29.43,55.94 29.36,56.01 29.36,56.27 v1(29.15,56.48)
  In2.Cu w0.15: v2(23.66,52.18) 23.8,52.05
Board_3-/SDA: length 24.8
  Top w0.1: 29.09,55.59 29.09,55.58 ; v2(24.77,63.96) 24.77,63.97 3U3.2
  In2.Cu w0.1: v2(24.77,63.96) 24.77,63.82 21.35,60.41 21.35,52.52 22.67,51.19 23.2,51.19 23.37,51.37 23.37,51.48 v2(23.17,51.69)
  In2.Cu w0.15: v2(23.17,51.69) 23.03,51.83 23.03,52 23.63,52.61 23.63,52.92 25.93,55.22 27.57,55.22 27.95,55.59 29.09,55.59 v1(29.09,55.6)
Board_3-/UART_RX: length 13.6
  Top w0.15: v2(28.41,63.99) 29.4,63.99 3TP2.1
  In2.Cu w0.15: v1(30.08,57.35) 30.23,57.51 30.23,63.16 29.4,63.99 v2(28.41,63.99)
  Bottom w0.1: v1(30.08,57.35) 30.23,57.2 30.23,56.37 29.9,56.04 29.9,55.62 29.2,54.92 29.2,54.85 29.03,54.68 29.03,54.58 29.03,54.64 29.03,54.39 v1(29.09,54.32)
Board_3-/UART_TX: length 7.1
  In2.Cu w0.15: v1(29.09,56.02) 29.08,56.02 28.85,56.25 28.85,56.59 29.9,57.64 29.9,60.67 v2(28.56,62.01)
Board_3-GND: length 11.3
  Top w0.1: 30.32,56.04 30.32,55.95 30.15,55.79 ; 3MK1.5 17.21,59.8 17.55,60.14 v1(17.55,60.44) ; 3U1.C2 29.94,54.33 29.94,54.27 30.24,53.97 v1(30.24,53.68) ; v1(29.19,51.67) 29.46,51.94 3Y2.2 ; v1(27.71,54.56) 27.92,54.76 28.26,54.76 3U1.A6 ; 3Y2.3 29.06,52.32 v1(28.79,52.05)
  Top w0.15: v2(19.28,55.11) 19.28,55.1 19.29,55.08 ; 30.32,56.04 30.32,56.21 30.59,56.48 30.59,56.5 ; v2(20.67,57.27) 3Q1.2 ; 3J1.5 32.58,59.19 v1(31.92,59.19) ; v2(31.22,52.55) 30.35,53.42 30.35,53.58 v1(30.24,53.68)
  Top w0.3: v2(17.59,53.76) 18.34,53.01 v2(18.34,53) ; v1(28.16,52.13) 28.17,52.13 v1(28.67,52.63) ; v1(29.15,53.11) v1(28.67,52.63) ; v1(28.67,52.63) 3C12.2 ; v2(19.68,51.65) v2(20.39,50.95)
  vias: v1(16.76,57.13) v1(26.63,53.72) v1(27.62,55.68) v1(29.72,56.68) v1(30.55,56.46) v2(15.83,64.84) v2(15.83,63.43) v2(15.83,62.01) v2(15.83,60.6) v2(15.83,54.94) v2(15.83,53.53) v2(16.54,64.13) v2(16.54,62.72) v2(16.54,61.31) v2(16.54,54.23) v2(16.54,52.82) v2(17.24,64.84) v2(17.24,63.43) v2(17.24,62.01) v2(17.24,52.11) v2(17.95,64.13) v2(17.95,62.72) v2(17.95,61.31) v2(18.66,67.67) v2(18.66,63.43) v2(18.66,62.01) v2(19.36,66.96) v2(19.36,65.55) v2(19.36,64.13) v2(19.36,62.72) v2(19.36,54.23) v2(20.07,67.67) v2(20.07,66.25) v2(20.07,64.84) v2(20.07,63.43) v2(20.07,54.94) v2(20.07,49.28) v2(20.78,65.55) v2(20.78,64.13) v2(20.78,48.58) v2(21.49,64.84) v2(21.49,62.01) v2(21.49,49.28) v2(22.19,55.65) v2(22.19,54.23) v2(22.19,52.82) v2(22.19,49.99) v2(22.19,48.58) v2(22.9,56.36) v2(22.9,53.53) v2(22.9,49.28) v2(23.13,64.66) v2(23.41,67.28) v2(23.61,55.65) v2(23.61,54.23) v2(23.61,49.99) v2(23.61,48.58) v2(24.11,65.8) v2(24.27,64.69) v2(24.31,54.94) v2(24.31,49.28) v2(25.02,52.82) v2(25.02,49.99) v2(25.02,48.58) v2(25.27,64.69) v2(25.61,67.26) v2(25.77,66.41) v2(25.73,53.53) v2(25.73,50.7) v2(25.73,49.28) v2(26.44,66.96) v2(26.44,49.99) v2(26.44,48.58) v2(26.63,56.08) v2(27.14,67.67) v2(27.14,66.25) v2(27.14,50.7) v2(27.85,66.96) v2(27.85,65.55) v2(27.85,64.13) v2(28.56,67.67) v2(28.56,66.25) v2(28.56,64.84) v2(28.56,50.7) v2(28.56,49.28) v2(29.26,66.96) v2(29.26,65.55) v2(29.26,49.99) v2(29.26,48.58) v2(29.97,67.67) v2(29.97,66.25) v2(29.97,64.84) v2(29.97,50.7) v2(29.97,49.28) v2(30.68,66.96) v2(30.68,65.55) v2(30.68,59.89) v2(30.68,51.41) v2(30.68,49.99) v2(30.68,48.58) v2(31.38,66.25) v2(31.38,64.84) v2(31.38,63.43) v2(31.38,60.6) v2(31.38,50.7) v2(31.38,49.28) v2(32.09,65.55) v2(32.09,64.13) v2(32.09,62.72) v2(32.09,54.23) v2(32.09,49.99) v2(32.49,51.28) v2(32.8,64.84) v2(32.8,54.94) v2(32.8,53.53) v2(32.92,49.8) v2(33.51,64.13) v2(33.51,55.65) v2(33.51,54.23) v2(33.51,52.82) v2(34.21,63.43) v2(34.21,56.36) v2(34.21,54.94) v2(34.21,53.53) v2(34.21,52.11) v2(34.92,62.72) v2(34.92,55.65) v2(34.92,54.23) v2(34.92,52.82) v3(25.02,58.48)
